# Altium PCB uz_per_wolfspeed_25kw_FM3.PcbDoc (part 2 of 2)
Units mm, origin at the board's own origin, x right, y up, seen from the top; angles counter-clockwise.
Board outline 82.7 x 88.25 mm, 4 copper layers (Top Layer, VCC, GND, Bottom Layer), stack 0.603 mm thick; 229 components, 117 nets, 750 pads, 220 vias.
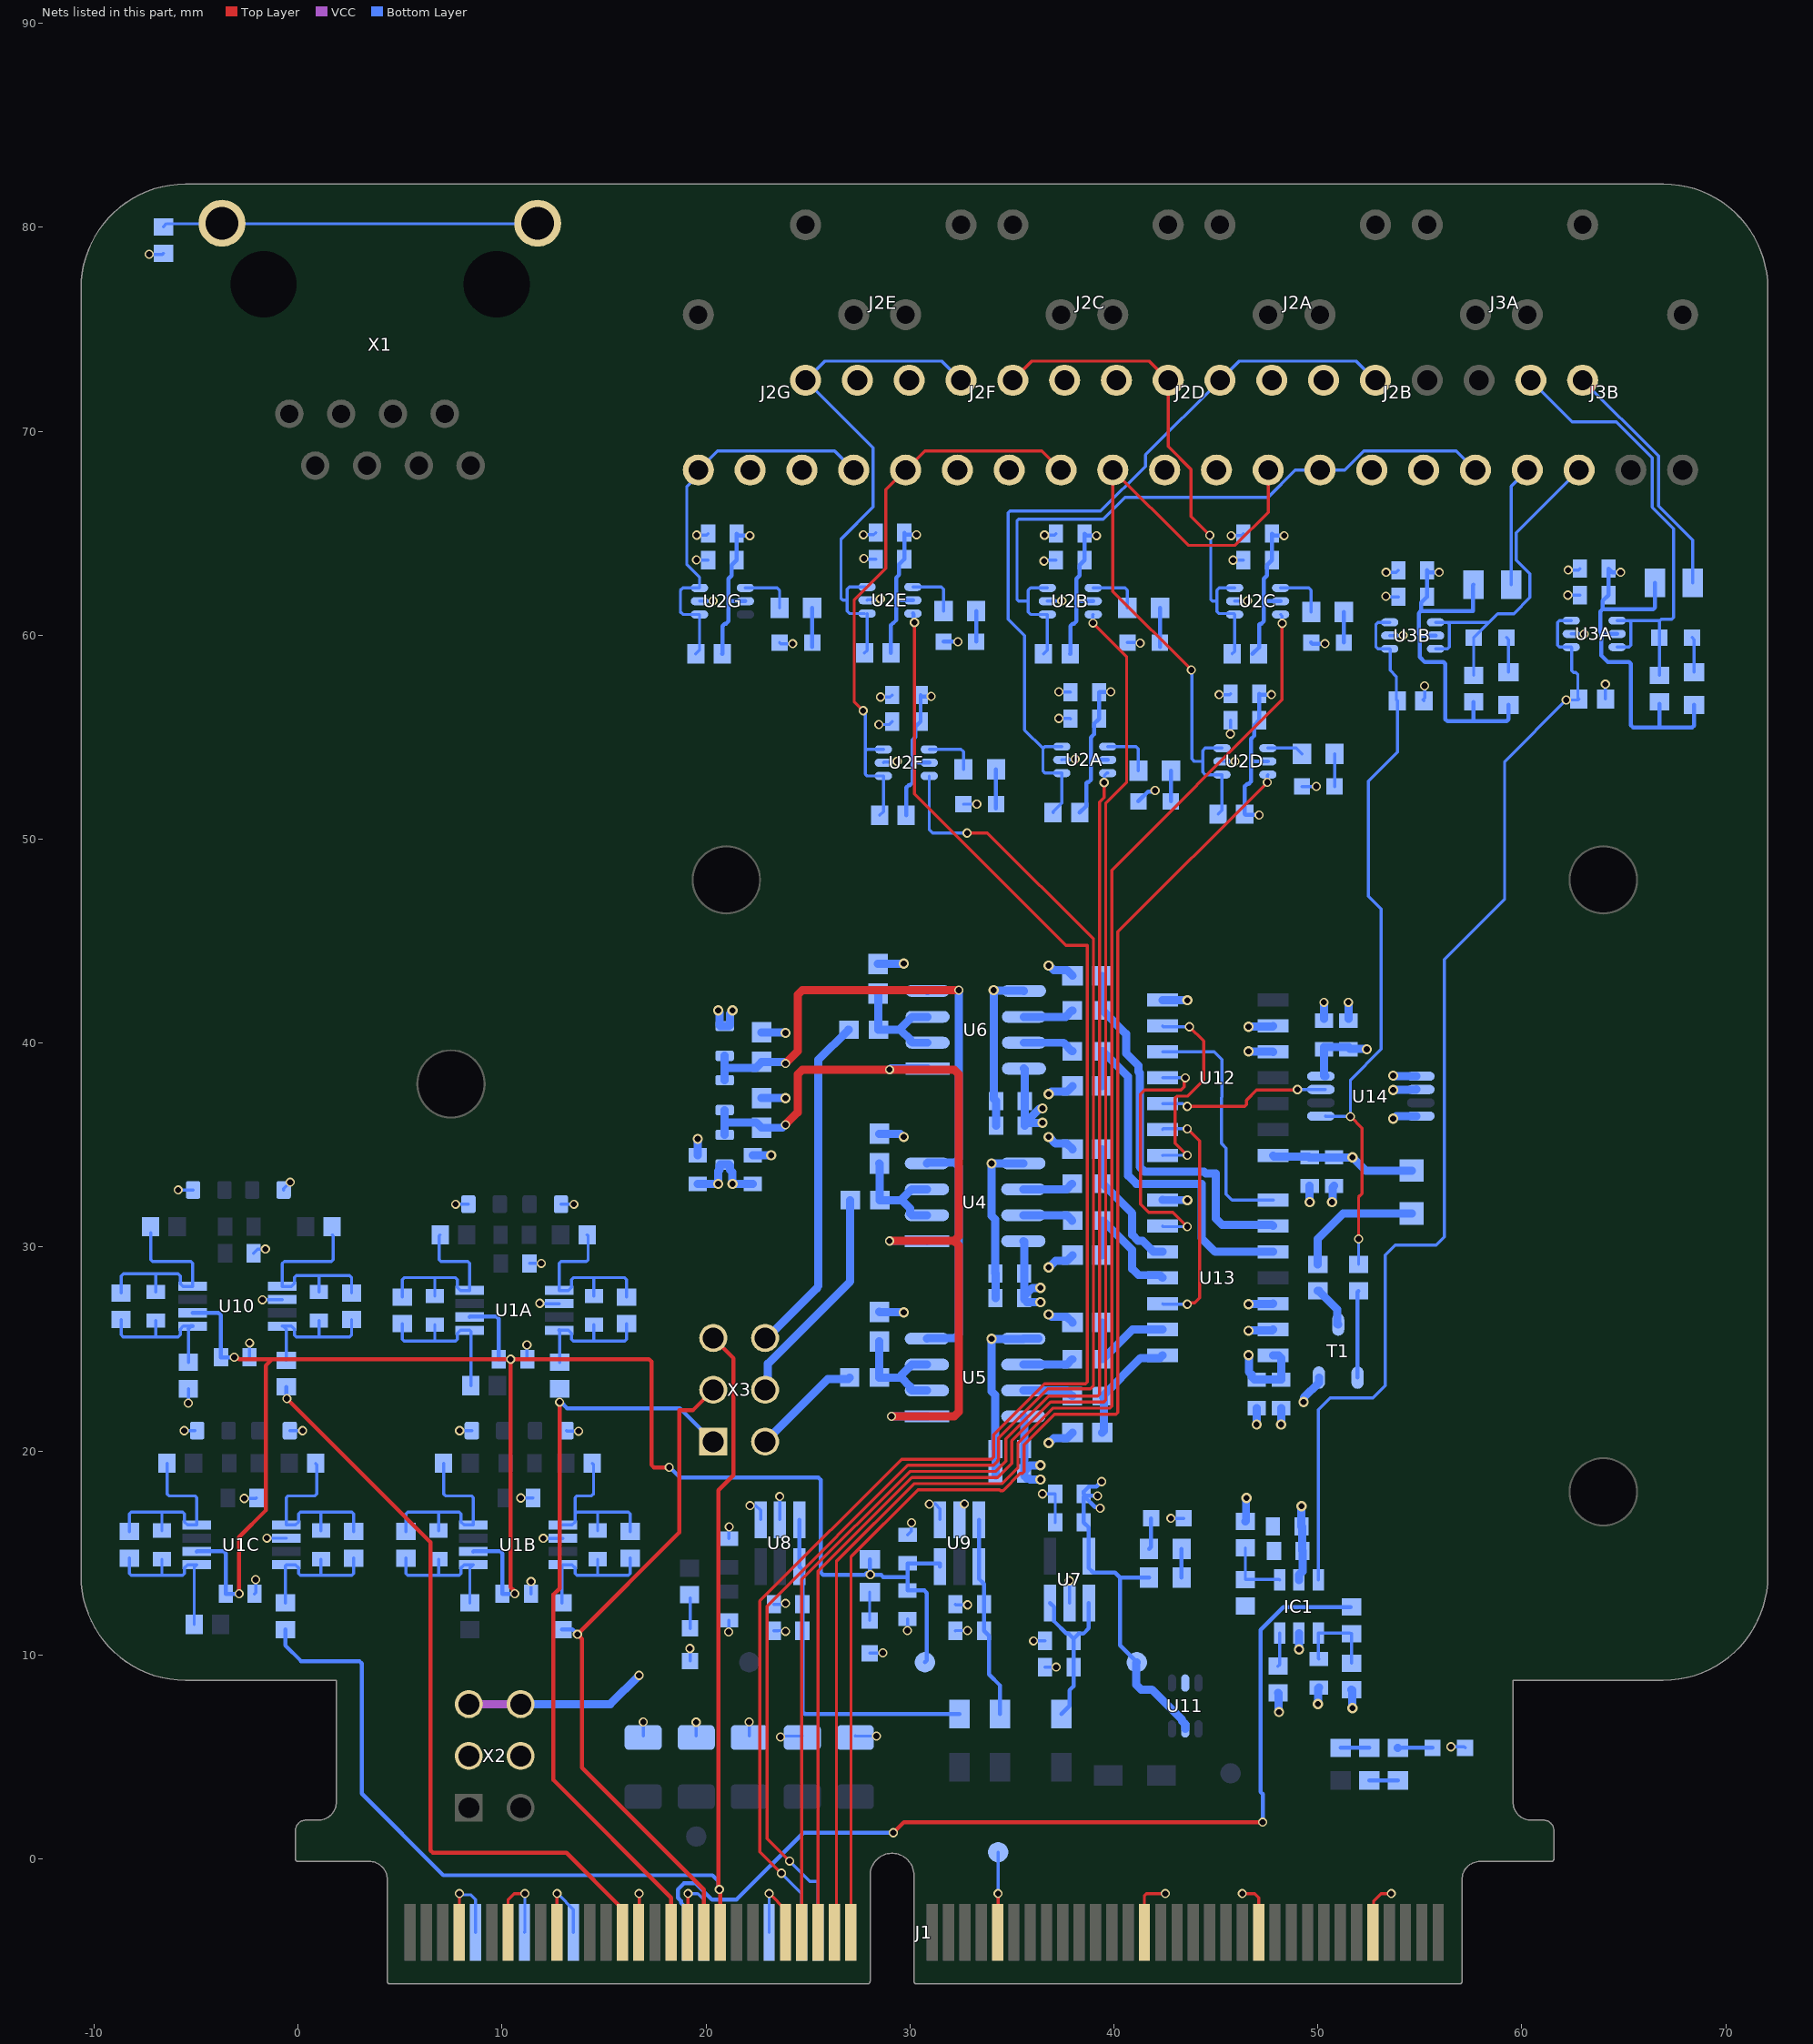
[diagram p4: the nets of this part, all layers, seen from the top]

## Via types
v1: diameter 0.45, hole 0.3, Top Layer to Bottom Layer, 171 vias
v2: diameter 0.5, hole 0.3, Top Layer to Bottom Layer, 49 vias

## Nets (pads, with @x,y where several pads share a name; then routed paths per layer and width w, separated by ;. In a path a pad name is that pad's centre, name@x,y a point inside that pad or via, vN(x,y) a via of type N, cw(c..) or ccw(c..) an arc to the next point about the centre after c; other vN are vias at no path point) (continued)
GND: C1.2 C2.2 C3.2 C4.2 C5.2 C7A.1 C7B.1 C7C.1 C9A.2 C9B.2 C9C.2 C10A.2 C10B.2 C10C.2 C11A.2 C11B.2 C11C.2 C13A.2 C13B.2 C13C.2 C13D.2 C13E.2 C13F.2 C13G.2 C14A.2 C14B.2 C14C.2 C14D.2 C14E.2 C14F.2 C14G.2 C15A.2 C15B.2 C16A.2 C16B.2 C17.2 C18.2 C19.2 C20.2 C21.2 C22.2 C23.2 C24.2 C25.2 C26.2 C27.2 C28.2 C29.2 C30.2 C31.2 C32.2 C33.2 C34.2 C35.2 C36.2 C37.2 C38.2 C39.2 C40.2 C41.2 C42.2 C43.2 C44.2 C45.2 C46.2 C47.2 C49.1 C51.2 C52.2 C53.2 C55.2 C56.2 C57.2 C58.2 C59.2 C60.2 C61.2 C62.2 C63.2 D1A.1 D1B.1 D1C.1 D1D.1 D1E.1 D1F.1 D1G.1 D3.1 D4.1 D5.1 D6.1 GND1.1 IC1.2 J1.7 J1.10 J1.13 J1.16 J1.19 J1.22 J1.29 J1.35 J1.38 J1.46 J1.47 J1.65 J1.83 J1.97 J1.111 J2A.2 J2B.2 J2C.2 J2D.2 J2E.2 J2F.2 J2G.2 R1.1 R13A.2 R13B.2 R18.2 R34.1 R42.1 R43.1 R45.1 T1.2 U1A.6 U1B.6 U1C.6 U2A.2 U2B.2 U2C.2 U2D.2 U2E.2 U2F.2 U2G.2 U3A.2 U3B.2 U4.5 U5.5 U6.5 U7.2 U8.1 U8.2 U9.1 U9.2 U10.6 U11.2 U12.7 U12.9 U12.10 U13.7 U13.12 U13.13 U14.1 U14.2 U14.4 X2.03 X2.04 | length 157.8
  Top Layer w0.15: J1.7@7.9,-3.6 7.913,-3.587 v1@7.913,-1.756 ; J1.13@10.3,-3.6 10.3,-2 10.6,-1.7 v1(11.126,-1.7) ; J1.19@12.7,-3.6 v1(12.7,-1.7) ; J1.29@16.7,-3.6 16.725,-3.575 16.725,-1.756 v1@16.713,-1.768 ; J1.35@19.1,-3.6 19.124,-3.576 v1@19.124,-1.8 ; v1(23.1,-1.7) 23.125,-1.7 23.9,-2.475 J1.47@23.9,-3.6 ; J1.65@34.3,-3.6 34.325,-3.575 v1@34.325,-1.756 ; J1.83@41.5,-3.6 41.5,-1.8 41.6,-1.7 v1(42.525,-1.7) ; v1(46.3,-1.7) 46.9,-1.7 47.1,-1.9 J1.97@47.1,-3.6 ; J1.111@52.7,-3.6 52.737,-3.563 52.737,-2.063 53.1,-1.7 v1(53.599,-1.7)
  Bottom Layer w0.15: v1(-7.3,78.675) -6.65,78.675 R1.1@-6.6,78.725 ; v1(-5.875,32.8) C49.1@-5.145,32.8 ; v1(-5.575,21) C7C.1@-5.042,21 ; v1@-5.375,22.355 R34.1@-5.375,23.05 ; v1(-2.631,17.676) -2.062,17.676 C10C.2@-2.037,17.7 ; C53.2@-2.375,24.6 v1(-2.375,25.3) ; C52.2@-2.175,29.7 -1.975,29.9 v1(-1.6,29.9) ; C11C.2@-2.137,13 -2.075,13.062 v1(-2.075,13.7) ; v1(-1.744,27.418) -1.737,27.425 U10.6@-0.77,27.425 ; v1(-1.528,15.732) -1.52,15.725 U1C.6@-0.572,15.725 ; C51.2@-0.705,32.8 -0.705,32.855 v1(-0.38,33.18) ; C9C.2@-0.402,21 v1(0.225,21) ; v1(7.725,32.1) C7A.1@8.355,32.1 ; v1@7.913,-1.756 8.456,-1.756 8.7,-2 J1.10@8.7,-3.6 ; v1(7.925,21) C7B.1@8.521,21 ; v1(10.925,17.7) C10B.2@11.525,17.7 ; J1.16@11.1,-3.6 11.126,-3.574 v1@11.126,-1.756 ; v1(11.225,25.2) 11.225,24.519 C11A.2@11.244,24.5 ; C10A.2@11.344,29.2 v1(11.925,29.2) ; C11B.2@11.425,13 v1(11.425,13.6) ; v1(11.854,27.242) 11.871,27.225 U1A.6@12.81,27.225 ; v1(12.025,15.719) 12.985,15.719 U1B.6@12.991,15.725 ; v1@12.7,-1.756 12.781,-1.756 13.5,-2.475 J1.22@13.5,-3.6 ; C9A.2@12.895,32.1 13.425,32.1 v1(13.525,32.1) ; C9B.2@13.161,21 13.189,20.972 v1(13.753,20.972) ; C3.2@16.925,6.028 16.925,6.71 v1(16.929,6.714) ; v1(19.124,-1.7) 19.6,-1.7 19.9,-2 J1.38@19.9,-3.6 ; v1(19.213,10.315) 19.225,10.304 D3.1@19.225,9.707 ; v1(19.521,6.705) 19.525,6.701 C5.2@19.525,6.028 ; v1(19.536,63.688) 19.541,63.683 C13G.2@20.11,63.683 ; v1(19.547,64.908) 20.035,64.908 C14G.2@20.11,64.983 ; U2G.2@19.685,61.668 19.692,61.676 20.343,61.676 v1(20.35,61.683) ; v1(21.114,11.128) 21.125,11.139 C43.2@21.125,11.7 ; C42.2@21.125,15.7 21.125,16.266 v1(21.145,16.286) ; v1(22.12,6.714) 22.125,6.709 C2.2@22.125,6.028 ; v1(22.162,17.323) 22.45,17.323 22.68,17.093 U8.1@22.68,16.637 ; J1.46@23.1,-3.6 v1(23.1,-1.7) ; C41.2@23.33,12.486 23.857,12.486 v1(23.898,12.527) ; D1G.1@23.61,59.638 23.665,59.583 v1(24.25,59.583) ; v1(23.617,17.77) 23.617,16.649 U8.2@23.63,16.637 ; v1(23.655,5.983) 23.697,6.026 24.672,6.026 24.697,6 C1.2@24.725,6.028 ; v1(23.907,11.161) 23.868,11.2 C40.2@23.55,11.2 ; C4.2@27.325,6.028 27.331,6.022 v1(28.365,6.022) ; v1(27.723,64.929) 28.223,64.929 C14E.2@28.323,65.029 ; v1(27.743,63.76) 27.774,63.729 C13E.2@28.323,63.729 ; U2E.2@27.898,61.714 27.933,61.749 28.515,61.749 v1(28.55,61.783) ; D4.1@28.03,10.086 28.044,10.1 v1(28.672,10.1) ; v1(28.48,55.617) 28.977,55.617 C13F.2@29.125,55.765 ; v1(28.562,56.969) 29.029,56.969 C14F.2@29.125,57.065 ; U2F.2@28.7,53.75 28.732,53.783 29.346,53.783 v1(29.378,53.815) ; v1(29.88,11.2) 29.882,11.202 C47.2@29.882,11.761 ; C46.2@29.892,15.895 30.075,16.078 v1(30.075,16.482) ; v1(30.956,17.401) 31.25,17.401 31.48,17.171 U9.1@31.48,16.637 ; C44.2@32.23,11.186 32.244,11.2 v1(32.825,11.2) ; C45.2@32.23,12.486 32.257,12.459 v1(32.831,12.459) ; D1F.1@32.625,51.72 32.63,51.715 v1(33.278,51.715) ; v1@34.325,-1.756 GND1.1@34.325,0.33 ; v1(36.062,10.694) 36.068,10.7 C37.2@36.625,10.7 ; v1(36.5,17.9) C39.2@37.125,17.9 ; v1(36.576,63.637) 36.622,63.683 C13B.2@37.164,63.683 ; v1(36.6,64.908) 37.089,64.908 C14B.2@37.164,64.983 ; C36.2@36.625,9.4 37.163,9.4 v1(37.169,9.406) ; U2B.2@36.739,61.668 36.746,61.676 37.443,61.676 v1(37.45,61.683) ; C38.2@37.125,16.5 C39.2@37.125,17.853 ; v1(37.3,55.922) 37.855,55.922 C13A.2@37.873,55.904 ; v1(37.3,57.222) 37.855,57.222 C14A.2@37.873,57.204 ; U2A.2@37.448,53.889 37.464,53.906 38.084,53.906 v1(38.1,53.922) ; v1(37.818,13.641) 37.825,13.634 U7.2@37.825,12.549 ; D1B.1@40.664,59.638 41.262,59.638 v1(41.289,59.611) ; v1(42.798,16.698) D5.1@43.425,16.7 D5.1@43.425,16.7 ; v1(45.162,57.083) 45.68,57.083 C14D.2@45.725,57.129 ; U2D.2@45.3,53.814 v1(45.94,53.814) ; v1(45.715,55.164) 45.725,55.174 C13D.2@45.725,55.829 ; v1(45.75,64.883) 46.25,64.883 C14C.2@46.35,64.983 ; v1(45.85,63.683) C13C.2@46.35,63.683 ; U2C.2@45.925,61.668 46.535,61.668 v1(46.55,61.683) ; D1D.1@49.225,52.583 v1(49.925,52.583) ; v1(53.338,61.909) 53.364,61.883 C15B.2@53.95,61.883 ; v1(53.35,63.083) 53.85,63.083 C16B.2@53.95,63.183 ; U3B.2@53.525,59.983 54.166,59.983 v1(54.181,59.998) ; R13B.2@55.2,56.783 55.15,56.833 55.239,56.922 v1(55.239,57.518) ; v1(56.525,5.5) 57.175,5.5 D6.1@57.225,5.45 ; v1(62.259,61.965) 62.261,61.966 C15A.2@62.85,61.966 ; v1(62.276,63.195) 62.779,63.195 C16A.2@62.85,63.266 ; U3A.2@62.425,60.066 63.056,60.066 v1(63.061,60.061) ; R13A.2@64.1,56.866 v1@64.1,57.596 ; C40.2@23.55,11.2 23.344,11.2 C40.2@23.33,11.186 23.536,11.186 C40.2@23.55,11.2
  Bottom Layer w0.2: D1E.1@31.65,59.683 v1(32.35,59.683) ; D1A.1@41.2,51.858 41.679,52.337 41.973,52.337 v1(42.021,52.385) ; D1C.1@49.677,59.638 49.732,59.583 v1(50.35,59.583)
  Bottom Layer w0.4: C28.2@19.6,34.5 v2(19.6,35.3) ; v2(20.6,41.6) 20.6,41.573 20.671,41.502 20.671,40.887 20.721,40.837 R18.2@20.921,40.837 21.121,40.837 21.171,40.887 21.171,41.444 21.3,41.573 v2(21.3,41.6) ; C32.2@22.3,34.5 v2(23.2,34.5) ; C17.2@22.721,37.303 22.723,37.302 v2(23.9,37.3) v2(23.9,37.3) ; C18.2@22.721,40.529 22.736,40.515 23.885,40.515 v2(23.9,40.5) ; C26.2@28.43,43.882 28.439,43.891 29.691,43.891 v2(29.7,43.9) ; C23.2@28.5,26.826 28.513,26.813 29.687,26.813 v2(29.7,26.8) ; C20.2@28.5,35.552 29.521,35.552 29.673,35.4 v2(29.7,35.4) ; v1(32.675,17.403) U9.2@32.685,17.413 ; v2(34.1,42.6) v2@34.119,42.581 ; C33.2@34.2,18.8 C33.2@34.2,18.9 C29.2@34.2,20.1 34.177,20.123 34.177,22.759 34,22.936 v2(34,25.5) 34.002,25.502 35.561,25.502 U5.5@35.564,25.505 U5.5@36.308,25.505 ; C34.2@34.2,27.5 C30.2@34.2,28.7 34.177,28.723 34.177,31.359 34,31.536 v2(34,34.1) 34.002,34.102 35.561,34.102 U4.5@35.564,34.105 ; C35.2@34.23,35.956 C31.2@34.23,37.156 34.119,37.267 v2@34.119,42.581 ; U6.5@35.594,42.561 35.574,42.581 v2@34.119,42.581 ; v2(36.8,20.4) 36.827,20.4 37.048,20.621 37.695,20.621 C22.2@37.974,20.9 ; v2(36.8,26.7) 36.827,26.7 36.948,26.579 37.695,26.579 C24.2@37.974,26.3 ; v2(36.8,29) 36.827,29 37.148,29.321 37.695,29.321 C19.2@37.974,29.6 ; v2(36.8,35.4) 36.827,35.4 37.148,35.079 37.695,35.079 C21.2@37.974,34.8 ; v2(36.8,37.5) 36.827,37.5 36.948,37.621 37.695,37.621 C25.2@37.974,37.9 ; v2(36.8,43.8) 36.827,43.8 37.048,43.579 37.695,43.579 C27.2@37.974,43.3 ; U13.7@42.388,32.31 42.393,32.305 43.595,32.305 v2(43.6,32.3) ; U12.7@42.388,42.11 42.393,42.105 43.595,42.105 v2(43.6,42.1) ; v2(46.6,25.9) v2@46.619,25.919 ; v2(46.6,27.2) 46.615,27.215 47.797,27.215 U13.12@47.812,27.23 ; v2(46.6,39.6) 46.615,39.585 47.797,39.585 U12.10@47.812,39.57 ; v2(46.6,40.8) 46.619,40.819 47.791,40.819 U12.9@47.812,40.84 ; v2@46.606,25.923 v2@46.619,25.919 ; v2(47,21.3) C58.2@47,22.1 ; U13.13@47.812,25.96 47.771,25.919 v2@46.619,25.919 ; R43.1@48.05,8.15 48.081,8.119 48.081,7.219 v2(48.1,7.2) ; v2(48.2,21.3) C57.2@48.2,22.1 ; v2(49.075,10.275) IC1.2@49.075,11.075 ; v2(49.3,22.4) 49.319,22.419 49.319,22.619 50.05,23.35 T1.2@50.05,23.6 ; v2(49.6,32.2) C59.2@49.6,33 ; v2(50,7.6) 50.019,7.619 50.019,8.369 C61.2@50.05,8.4 ; C55.2@50.3,41.2 v1(50.3,42) ; v2(50.7,32.2) 50.719,32.219 50.719,32.919 C60.2@50.8,33 ; C56.2@51.5,41.2 v1(51.5,42) ; R42.1@51.65,8.3 51.681,8.269 51.681,7.419 v2(51.7,7.4) ; v2(53.7,36.3) 53.727,36.3 53.842,36.415 54.815,36.415 U14.4@54.825,36.425 ; v2(53.7,37.7) 53.715,37.715 54.815,37.715 U14.2@54.825,37.725 ; v2(53.7,38.4) 53.715,38.385 54.815,38.385 U14.1@54.825,38.375
  other v1: 7.913,-1.7 16.725,-1.7 34.325,-1.7 -5.377,22.353 64.1,57.597
HI_OC_REF: C17.1 R16.2 R17.1 U4.1 U5.1 U6.1 | length 43.9
  Top Layer w0.4: v1(23.9,36) 24.5,36.6 24.5,38.466 24.734,38.7 v1(29,38.7) 32.166,38.7 32.4,38.466 32.4,30.534 32.166,30.3 ; v1(29,30.3) 32.166,30.3 ; v1(29.1,21.7) 32.166,21.7 32.4,21.934 32.4,30.066 32.166,30.3
  Bottom Layer w0.4: R16.2@20.921,35.507 20.921,36.112 ; R17.1@20.921,36.717 20.921,36.112 ; v1(23.9,36) 23.886,36 23.738,35.852 C17.1@22.721,35.852 22.46,36.112 20.921,36.112 ; v1(29,30.3) 29.003,30.297 30.834,30.297 U4.1@30.836,30.295 ; v1(29,38.7) 29.014,38.7 29.065,38.751 U6.1@30.866,38.751 ; v1(29.1,21.7) 29.103,21.697 30.834,21.697 U5.1@30.836,21.695
IU_MEAS: R21.1 X3.02 | length 5.4
  Bottom Layer w0.4: X3.02@22.9,20.46 25.967,23.527 26.973,23.527 R21.1@27.046,23.6
IV_MEAS: R15.1 X3.04 | length 11
  Bottom Layer w0.4: X3.04@22.9,23 23.04,23.14 23.04,24.285 27.073,28.318 R15.1@27.073,32.3
IW_MEAS: R24.1 X3.06 | length 16.9
  Bottom Layer w0.4: X3.06@22.9,25.54 23.002,25.54 25.438,27.976 25.5,28.1 25.5,39.176 26.98,40.656 R24.1@27.003,40.656
LO_OC_REF: C18.1 R17.2 R18.1 U4.4 U5.4 U6.4 | length 37.6
  Top Layer w0.4: v1(23.9,39) 24.5,39.6 24.5,42.366 24.734,42.6 v1(32.4,42.6)
  Bottom Layer w0.4: R17.2@20.921,38.177 20.921,38.777 ; R18.1@20.921,39.377 20.921,38.777 ; v1(23.9,39) 23.886,39 23.809,39.077 C18.1@22.721,39.077 22.721,39.057 22.442,38.777 20.921,38.777 ; U5.4@30.836,25.505 30.871,25.54 32.206,25.54 32.4,25.734 32.4,33.94 32.201,34.14 ; U4.4@30.836,34.105 30.871,34.14 32.201,34.14 ; U6.4@30.866,42.561 30.896,42.59 32.39,42.59 v1(32.4,42.6) 32.4,34.339 32.201,34.14
NetC6A_1: C6A.1 R2A.1 R3A.2 U1A.1 | length 8
  Bottom Layer w0.15: R2A.1@5.11,26.25 5.11,25.488 5.198,25.4 6.706,25.4 ; C6A.1@6.71,26.2 6.71,25.403 6.706,25.4 ; R3A.2@8.475,23.2 8.475,25.86 U1A.1@8.41,25.925 7.96,25.925 7.81,25.775 7.81,25.488 7.722,25.4 6.706,25.4
NetC6A_2: C6A.2 R2A.2 R4A.1 U1A.4 | length 9.7
  Bottom Layer w0.15: R2A.2@5.11,27.55 5.11,28.412 5.198,28.5 6.706,28.5 ; C6A.2@6.71,27.6 6.71,28.497 6.706,28.5 ; R4A.1@6.975,30.6 6.925,30.55 6.925,29.388 7.013,29.3 8.322,29.3 8.41,29.212 U1A.4@8.41,27.875 7.96,27.875 7.81,28.025 7.81,28.412 7.722,28.5 6.706,28.5
NetC6B_1: C6B.1 R2B.1 R3B.2 U1B.1 | length 7.2
  Bottom Layer w0.15: R2B.1@5.291,14.75 5.291,13.988 5.379,13.9 6.887,13.9 ; C6B.1@6.891,14.7 6.891,13.903 6.887,13.9 ; R3B.2@8.425,12.55 8.425,14.259 U1B.1@8.591,14.425 8.141,14.425 7.991,14.275 7.991,13.988 7.903,13.9 6.887,13.9
NetC6B_2: C6B.2 R2B.2 R4B.1 U1B.4 | length 10
  Bottom Layer w0.15: R2B.2@5.291,16.05 5.291,16.912 5.379,17 6.887,17 ; C6B.2@6.891,16.1 6.891,16.997 6.887,17 ; R4B.1@7.141,19.4 7.141,17.888 7.229,17.8 8.503,17.8 8.591,17.712 U1B.4@8.591,16.375 8.141,16.375 7.991,16.525 7.991,16.912 7.903,17 6.887,17
NetC6C_1: C6C.1 R2C.1 R3C.2 U1C.1 | length 8.3
  Bottom Layer w0.15: R2C.1@-8.272,14.75 -8.272,13.988 -8.184,13.9 -6.675,13.9 ; C6C.1@-6.672,14.7 -6.672,13.903 -6.675,13.9 ; R3C.2@-5.087,11.5 -5.087,14.309 U1C.1@-4.972,14.425 -5.422,14.425 -5.572,14.275 -5.572,13.988 -5.66,13.9 -6.675,13.9
NetC6C_2: C6C.2 R2C.2 R4C.1 U1C.4 | length 10
  Bottom Layer w0.15: R2C.2@-8.272,16.05 -8.272,16.912 -8.184,17 -6.675,17 ; C6C.2@-6.672,16.1 -6.672,16.997 -6.675,17 ; R4C.1@-6.422,19.4 -6.422,17.888 -6.334,17.8 -5.06,17.8 -4.972,17.712 U1C.4@-4.972,16.375 -5.422,16.375 -5.572,16.525 -5.572,16.912 -5.66,17 -6.675,17
NetC12A_1: C12A.1 R5A.2 R7A.1 U1A.8 | length 6.9
  Bottom Layer w0.15: U1A.8@12.81,25.925 13.26,25.925 13.41,25.775 13.41,25.488 13.498,25.4 14.498,25.4 ; R5A.2@12.825,24.35 U1A.8@12.825,25.91 ; C12A.1@14.51,26.2 14.51,25.411 14.498,25.4 ; R7A.1@16.11,26.25 16.11,25.488 16.022,25.4 14.498,25.4
  Bottom Layer w0.2: U1A.8@12.81,25.925 U1A.8@12.825,25.91
NetC12A_2: C12A.2 R6A.1 R7A.2 U1A.5 | length 9.6
  Bottom Layer w0.15: R6A.1@14.175,30.6 14.225,30.55 14.225,29.388 14.137,29.3 12.898,29.3 12.81,29.212 U1A.5@12.81,27.875 13.26,27.875 13.41,28.025 13.41,28.412 13.498,28.5 14.511,28.5 ; C12A.2@14.51,27.6 14.51,28.498 14.511,28.5 ; R7A.2@16.11,27.55 16.11,28.412 16.022,28.5 14.511,28.5
NetC12B_1: C12B.1 R5B.2 R7B.1 U1B.8 | length 7.2
  Bottom Layer w0.15: R5B.2@12.948,12.55 12.948,14.383 U1B.8@12.991,14.425 13.441,14.425 13.591,14.275 13.591,13.988 13.679,13.9 14.679,13.9 ; C12B.1@14.691,14.7 14.691,13.911 14.679,13.9 ; R7B.1@16.291,14.75 16.291,13.988 16.203,13.9 14.679,13.9
NetC12B_2: C12B.2 R6B.1 R7B.2 U1B.5 | length 8.8
  Bottom Layer w0.15: U1B.5@12.991,16.375 13.441,16.375 13.591,16.525 13.591,16.912 13.679,17 14.692,17 ; 13.591,16.975 13.591,17.712 13.679,17.8 14.391,17.8 14.491,17.9 14.491,19.334 R6B.1@14.425,19.4 ; C12B.2@14.691,16.1 14.691,16.998 14.692,17 ; R7B.2@16.291,16.05 16.291,16.912 16.203,17 14.692,17
NetC12C_1: C12C.1 R5C.2 R7C.1 U1C.8 | length 7.2
  Bottom Layer w0.15: R5C.2@-0.614,12.55 -0.614,14.383 U1C.8@-0.572,14.425 -0.122,14.425 0.028,14.275 0.028,13.988 0.116,13.9 1.117,13.9 ; C12C.1@1.128,14.7 1.128,13.911 1.117,13.9 ; R7C.1@2.728,14.75 2.728,13.988 2.64,13.9 1.117,13.9
NetC12C_2: C12C.2 R6C.1 R7C.2 U1C.5 | length 10
  Bottom Layer w0.15: R6C.1@0.863,19.4 0.928,19.334 0.928,17.9 0.828,17.8 -0.484,17.8 -0.572,17.712 U1C.5@-0.572,16.375 -0.122,16.375 0.028,16.525 0.028,16.912 0.116,17 1.13,17 ; C12C.2@1.128,16.1 1.128,16.998 1.13,17 ; R7C.2@2.728,16.05 2.728,16.912 2.64,17 1.13,17
NetC20_1: C20.1 R15.2 U4.2 U4.3 | length 6.1
  Bottom Layer w0.4: C20.1@28.5,34.1 28.513,34.086 28.513,32.313 R15.2@28.527,32.3 29.606,32.3 ; U4.2@30.836,31.565 30.092,31.565 30.008,31.649 30.008,31.898 29.606,32.3 ; U4.3@30.836,32.835 30.092,32.835 29.606,32.349 29.606,32.3
NetC23_1: C23.1 R21.2 U5.2 U5.3 | length 6
  Bottom Layer w0.4: C23.1@28.5,25.374 R21.2@28.5,23.6 29.579,23.6 ; U5.2@30.836,22.965 30.092,22.965 30.008,23.049 30.008,23.171 29.579,23.6 ; U5.3@30.836,24.235 30.092,24.235 29.579,23.722 29.579,23.6
NetC26_1: C26.1 R24.2 U6.2 U6.3 | length 6.1
  Bottom Layer w0.4: C26.1@28.43,42.43 28.443,42.417 28.443,40.67 R24.2@28.457,40.656 29.536,40.656 ; U6.2@30.866,40.021 30.122,40.021 30.038,40.105 30.038,40.154 29.536,40.656 ; U6.3@30.866,41.291 30.122,41.291 29.536,40.705 29.536,40.656
NetC36_1: C36.1 C37.1 L2.2 U7.1 U7.3 | length 8.5
  Bottom Layer w0.2: U7.3@36.875,12.549 37.081,12.343 37.081,11.644 37.675,11.05 37.775,11.05 38.025,10.8 C37.1@38.025,10.7 ; L2.2@37.425,7.1 37.825,7.5 37.825,8.275 38.025,8.475 C36.1@38.025,9.4 C37.1@38.025,10.7 ; U7.1@38.775,12.549 38.775,11.314 38.505,11.044 38.275,11.044 38.025,10.794 C37.1@38.025,10.7
NetC40_1: C40.1 C41.1 L3.2 U8.3 U8.4 | length 17.2
  Bottom Layer w0.2: U8.3@24.58,16.637 U8.4@24.58,14.336 24.73,14.186 C41.1@24.73,12.486 C40.1@24.73,11.186 24.73,7.217 24.847,7.1 L3.2@32.425,7.1
NetC44_1: C44.1 C45.1 L4.2 U9.3 U9.4 | length 10
  Bottom Layer w0.2: U9.3@33.38,16.637 U9.4@33.38,14.336 33.38,13.738 33.63,13.488 C45.1@33.63,12.486 C44.1@33.63,11.186 33.88,10.936 33.88,9.045 34.425,8.5 L4.2@34.425,7.1
NetC48_1: C48.1 R33.1 R34.2 U10.1 | length 7.4
  Bottom Layer w0.15: R33.1@-8.675,26.45 -8.675,25.7 -8.575,25.6 -6.975,25.6 ; C48.1@-6.975,26.4 -6.975,25.6 ; R34.2@-5.375,24.35 U10.1@-5.375,26 ; U10.1@-5.17,26.125 -5.625,26.125 -5.775,25.975 -5.775,25.7 -5.875,25.6 -6.975,25.6
  Bottom Layer w0.2: U10.1@-5.375,26 -5.25,26.125 U10.1@-5.17,26.125
NetC48_2: C48.2 R33.2 R35.1 U10.4 | length 10.3
  Bottom Layer w0.15: R33.2@-8.675,27.75 -8.675,28.583 -8.558,28.7 -6.984,28.7 ; R35.1@-7.225,30.7 -7.225,29.388 -7.137,29.3 -5.258,29.3 -5.17,29.212 U10.4@-5.17,28.075 -5.645,28.075 -5.77,28.2 -5.77,28.583 -5.888,28.7 -6.984,28.7 ; C48.2@-6.975,27.8 -6.975,28.691 -6.984,28.7
NetC54_1: C54.1 R36.2 R38.1 U10.8 | length 7.2
  Bottom Layer w0.15: R36.2@-0.575,24.45 -0.575,25.975 -0.725,26.125 U10.8@-0.77,26.125 -0.325,26.125 -0.175,25.975 -0.175,25.688 -0.087,25.6 1.056,25.6 ; C54.1@1.025,26.4 1.025,25.631 1.056,25.6 ; R38.1@2.625,26.45 2.625,25.688 2.537,25.6 1.056,25.6
NetC54_2: C54.2 R37.1 R38.2 U10.5 | length 10.3
  Bottom Layer w0.15: C54.2@1.025,27.8 1.025,28.591 1.017,28.6 ; R37.1@1.675,30.6 1.725,30.55 1.725,29.388 1.637,29.3 -0.666,29.3 -0.77,29.195 U10.5@-0.77,28.075 -0.325,28.075 -0.175,28.225 -0.175,28.512 -0.087,28.6 1.017,28.6 ; R38.2@2.625,27.75 2.625,28.512 2.537,28.6 1.017,28.6
NetC61_1: C61.1 IC1.1 R41.1 R42.2 | length 4.3
  Bottom Layer w0.15: C61.1@50.05,9.8 50.025,9.825 IC1.1@50.025,11.075 R41.1@51.575,11.075 ; R42.2@51.65,9.6 R41.1@51.65,11.05
NetD1A_2: D1A.2 R9A.2 | length 1.5
  Bottom Layer w0.2: D1A.2@42.8,51.858 R9A.2@42.8,53.358
NetD1B_2: D1B.2 R9B.2 | length 1.9
  Bottom Layer w0.2: D1B.2@42.264,59.433 R9B.2@42.264,61.333
NetD1C_2: D1C.2 R9C.2 | length 1.5
  Bottom Layer w0.2: D1C.2@51.277,59.638 R9C.2@51.277,61.138
NetD1D_2: D1D.2 R9D.2 | length 1.6
  Bottom Layer w0.15: D1D.2@50.825,52.583 R9D.2@50.825,54.183
NetD1E_2: D1E.2 R9E.2 | length 1.5
  Bottom Layer w0.2: D1E.2@33.25,59.683 R9E.2@33.25,61.183
NetD1F_2: D1F.2 R9F.2 | length 1.9
  Bottom Layer w0.2: D1F.2@34.225,51.515 R9F.2@34.225,53.415
NetD1G_2: D1G.2 R9G.2 | length 1.9
  Bottom Layer w0.2: D1G.2@25.21,59.433 R9G.2@25.21,61.333
NetD2A_2: D2A.2 R12A.2 | length 1.7
  Bottom Layer w0.15: D2A.2@68.35,59.883 68.45,59.783 R12A.2@68.45,58.183
NetD2B_2: D2B.2 R12B.2 | length 1.7
  Bottom Layer w0.15: D2B.2@59.25,59.883 59.35,59.783 R12B.2@59.35,58.183
NetD3_2: D3.2 R28.2 | length 1.5
  Bottom Layer w0.15: D3.2@19.225,11.3 R28.2@19.225,12.8
NetD4_2: D4.2 R29.1 | length 1.4
  Bottom Layer w0.15: D4.2@28.03,11.686 R29.1@28.03,13.086
NetD5_2: D5.2 R31.1 | length 1.5
  Bottom Layer w0.2: R31.1@41.725,15.2 41.825,15.3 D5.2@41.825,16.7
NetD6_2: D6.2 R32.1 | length 1.7
  Bottom Layer w0.2: R32.1@53.925,5.45 D6.2@55.625,5.45
NetD7_1: D7.1 R40.2 | length 6.4
  Bottom Layer w0.4: R40.2@50,29.15 50,30.4 51.25,31.65 D7.1@54.6,31.65
NetIC1_3: IC1.3 R43.2 | length 1.7
  Bottom Layer w0.15: R43.2@48.05,9.45 48.125,9.525 IC1.3@48.125,11.075
NetIC1_4: IC1.4 R44.1 R45.2 | length 3.2
  Bottom Layer w0.15: R44.1@46.45,15.25 R45.2@46.45,13.7 48.1,13.7 IC1.4@48.125,13.675
NetJ3A_1: J3A.1 R10A.2 | length 12.2
  Bottom Layer w0.15: J3A.1@62.985,72.5 66.7,68.785 66.7,66.333 68.375,64.658 R10A.2@68.375,62.566
NetJ3B_1: J3B.1 R10B.2 | length 5.9
  Bottom Layer w0.15: R10B.2@59.475,62.483 59.475,67.306 J3B.1@60.269,68.1
NetR1_2: R1.2 X1.S1 X1.S2 | length 18.4
  Bottom Layer w0.15: R1.2@-6.6,80.025 -6.45,80.175 -3.725,80.175 X1.S2@11.75,80.175
NetR9A_1: R9A.1 U2A.4 | length 2.6
  Bottom Layer w0.15: U2A.4@39.698,54.539 41.083,54.539 41.2,54.422 R9A.1@41.2,53.358
NetR9B_1: R9B.1 U2B.4 | length 2.6
  Bottom Layer w0.15: U2B.4@38.989,62.318 40.547,62.318 40.664,62.201 R9B.1@40.664,61.333
NetR9C_1: R9C.1 U2C.4 | length 2.6
  Bottom Layer w0.15: U2C.4@48.175,62.318 49.56,62.318 49.677,62.201 R9C.1@49.677,61.138
NetR9D_1: R9D.1 U2D.4 | length 1.8
  Bottom Layer w0.15: U2D.4@47.55,54.464 48.944,54.464 R9D.1@49.225,54.183
NetR9E_1: R9E.1 U2E.4 | length 2.6
  Bottom Layer w0.15: U2E.4@30.148,62.364 31.533,62.364 31.65,62.247 R9E.1@31.65,61.183
NetR9F_1: R9F.1 U2F.4 | length 2.6
  Bottom Layer w0.15: U2F.4@30.95,54.4 32.508,54.4 32.625,54.283 R9F.1@32.625,53.415
NetR9G_1: R9G.1 U2G.4 | length 2.6
  Bottom Layer w0.15: U2G.4@21.935,62.318 23.493,62.318 23.61,62.201 R9G.1@23.61,61.333
NetR14_1: R14.1 U4.7 | length 2.5
  Bottom Layer w0.4: U4.7@35.564,31.565 37.689,31.565 R14.1@37.954,31.3
NetR19_1: R19.1 U4.6 | length 2.5
  Bottom Layer w0.4: U4.6@35.564,32.835 37.685,32.835 R19.1@37.95,33.1
NetR20_1: R20.1 U5.7 | length 2.5
  Bottom Layer w0.4: U5.7@35.564,22.965 37.685,22.965 37.95,22.7 R20.1@37.973,22.7